# Altium PCB pcb.PcbDoc (part 3 of 3)
Units mil, origin at the board's own origin, x right, y up, seen from the top; angles counter-clockwise.
Board outline 4487.66 x 5255 mil, 2 copper layers (Top Layer, Bottom Layer); 218 components, 191 nets, 869 pads, 351 vias.
Unrouted connection lines stored in the file: 2.
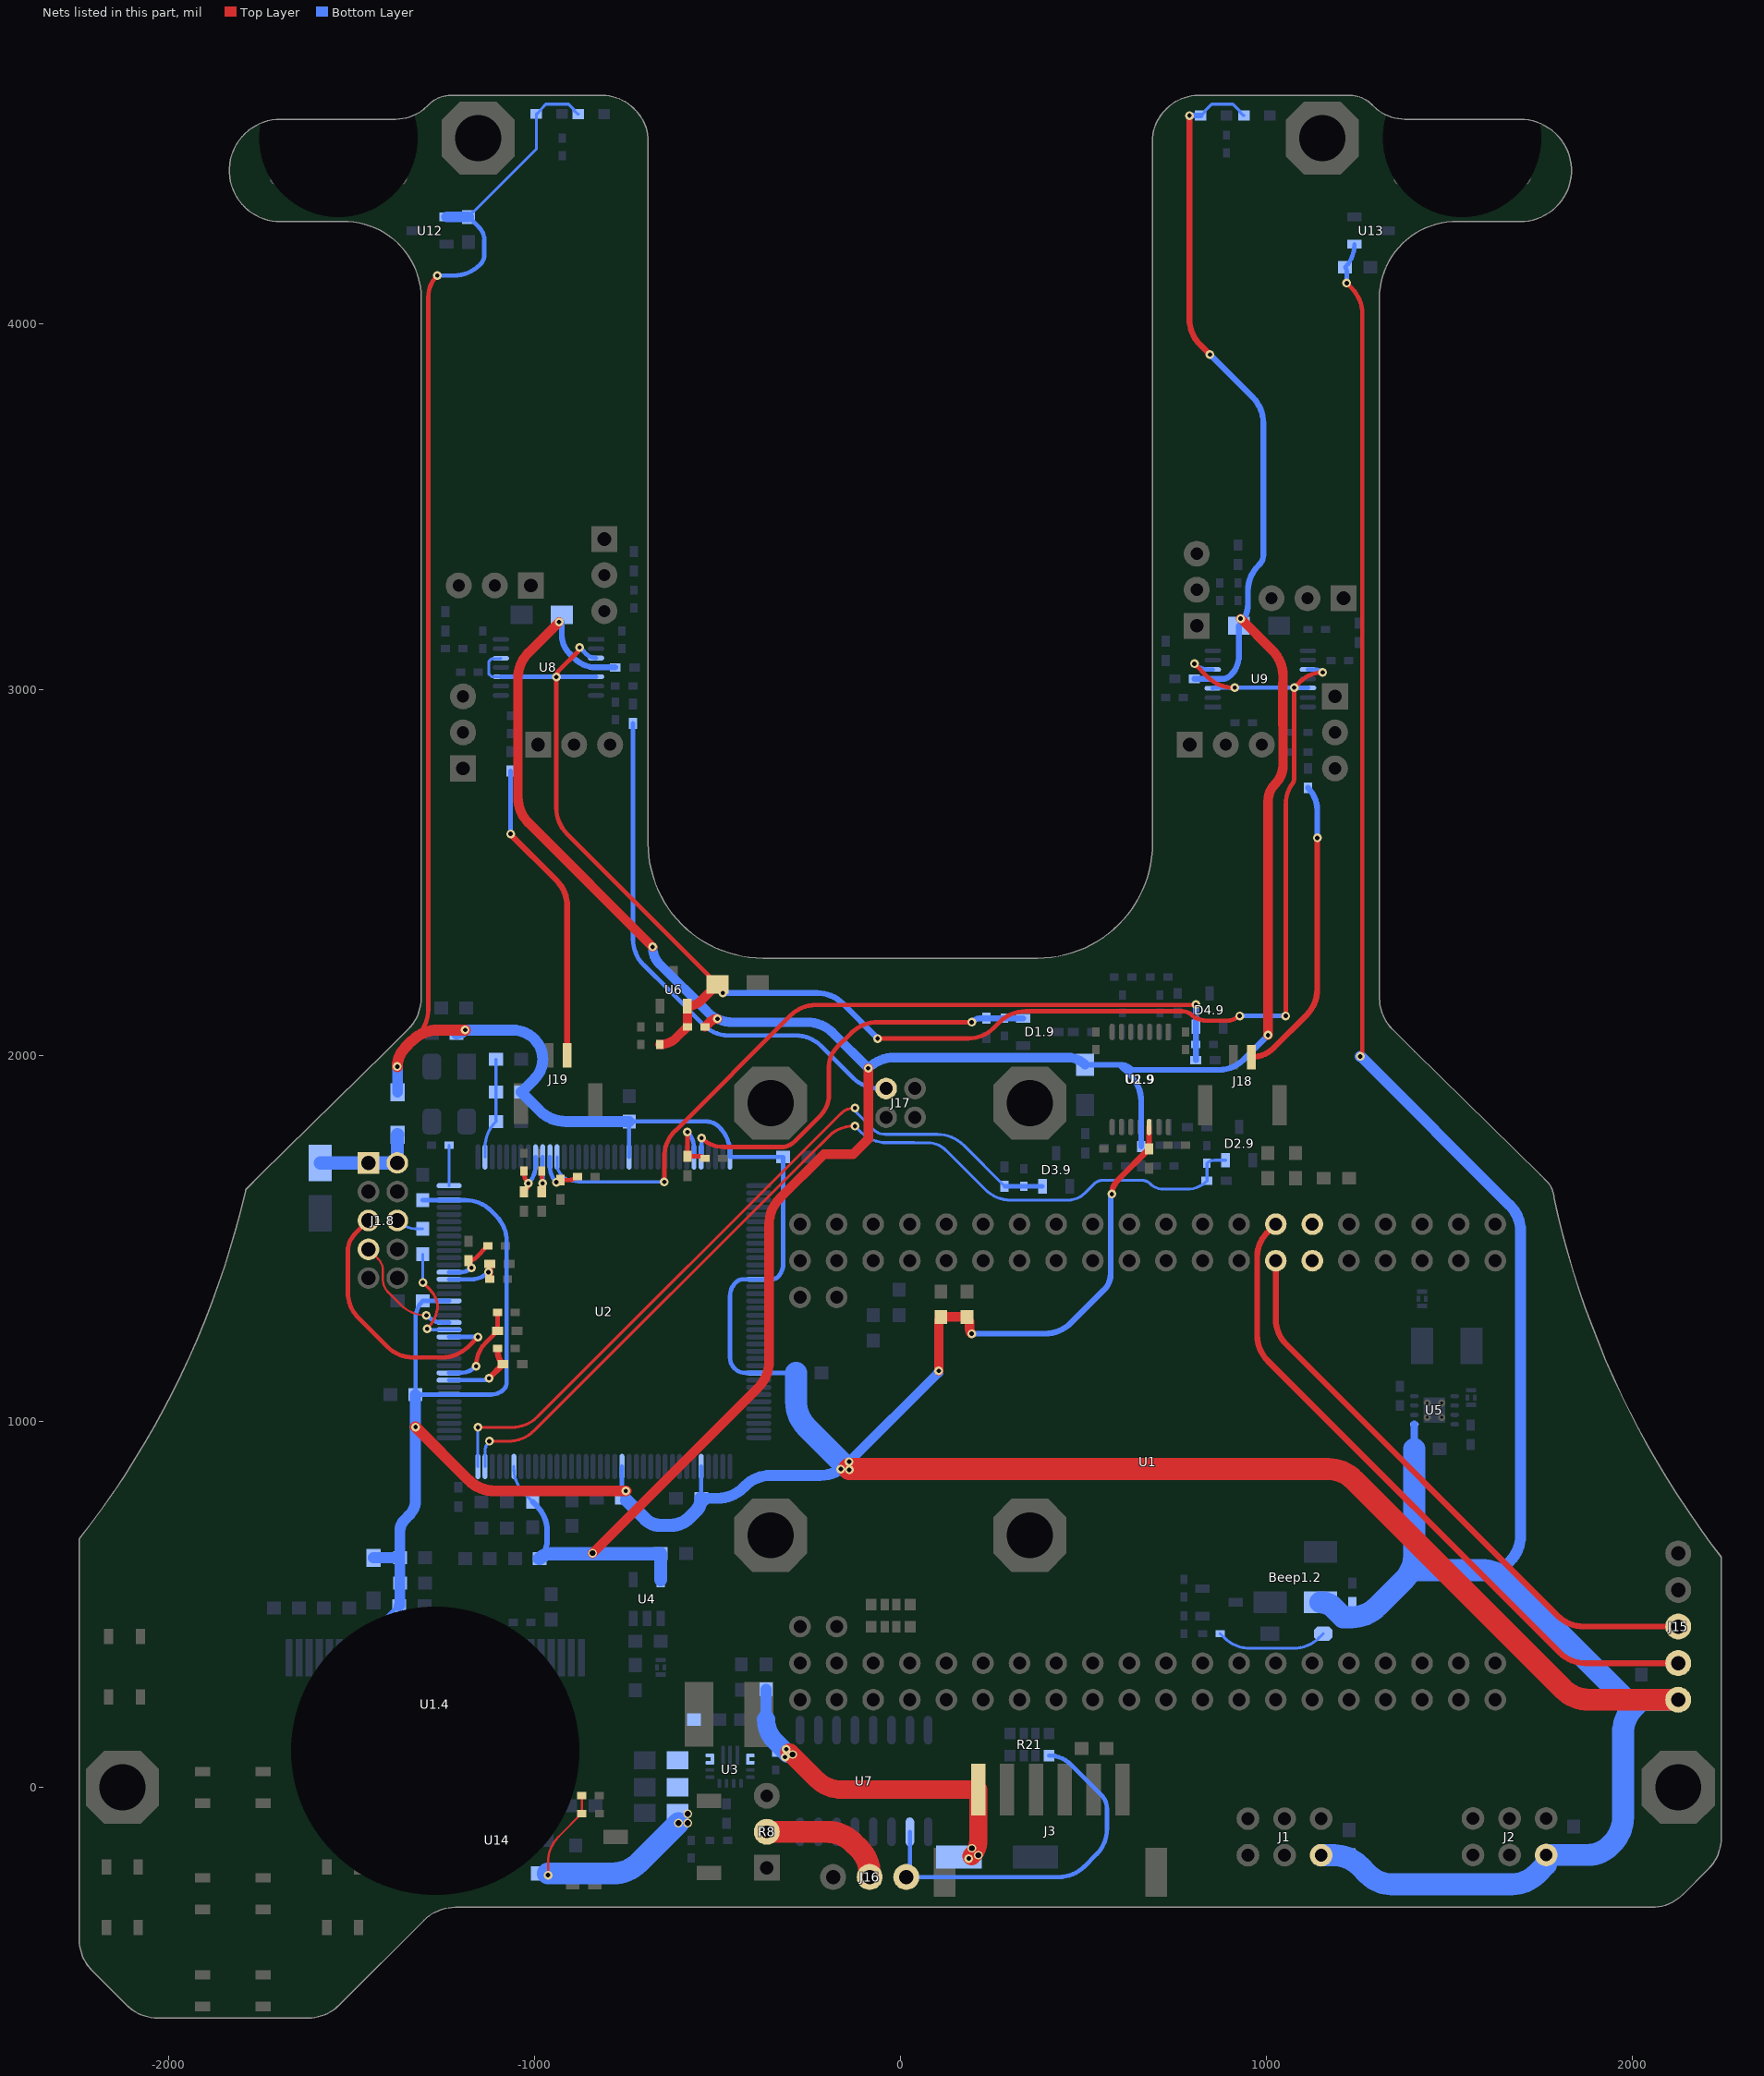
[diagram p3: the nets of this part, all layers, seen from the top]

## Via types
v1: diameter 24, hole 12, Top Layer to Bottom Layer, tented both sides, 336 vias
v2: diameter 23.62, hole 15.75, Top Layer to Bottom Layer, tented both sides, 13 vias
v3: diameter 23.62, hole 11.81, Top Layer to Bottom Layer, tented both sides, 2 vias

## Nets (pads, with @x,y where several pads share a name; then routed paths per layer and width w, separated by ;. In a path a pad name is that pad's centre, name@x,y a point inside that pad or via, vN(x,y) a via of type N, cw(c..) or ccw(c..) an arc to the next point about the centre after c; other vN are vias at no path point) (continued)
PTA1: J1.8.5 U2.51 | length 759
  Top Layer w12: J1.8.5@-1453.36,1549.39 -1490.79,1511.96 ccw(c-1444.43,1465.59) -1510,1465.59 -1510,1353.72 ccw(c-1410,1353.72) -1480.71,1283.01 -1402.08,1204.38 ccw(c-1331.37,1275.09) -1331.37,1175.09 -1251.92,1175.09 ccw(c-1251.92,1275.09) -1181.21,1204.38 v1(-1154.49,1231.1)
  Bottom Layer w12: U2.51@-1233.1,1231.1 v1(-1154.49,1231.1)
PTA2: R2.8.2 U2.52 | length 320.5
  Top Layer w8: v1(-1305,1380) -1285.57,1360.57 cw(c-1336.19,1309.96) -1264.61,1309.96 cw(c-1363.58,1324.27) -1292.87,1253.56 v1(-1293.09,1253.34)
  Bottom Layer w8: v1(-1305,1380) R2.8.2@-1305,1457.38 ; v1(-1293.09,1253.34) -1293.09,1255.81 ccw(c-1280.96,1267.94) -1280.96,1250.79 U2.52@-1233.1,1250.79 U2.52@-1202.01,1250.79
PTA3: J1.8.7 U2.53 | length 329.7
  Top Layer w6: J1.8.7@-1453.36,1470.65 -1426.78,1444.07 cw(c-1457.84,1413.01) -1413.91,1413.01 -1413.91,1386.95 ccw(c-1366.51,1386.95) -1400.03,1353.43 -1365.91,1319.32 ccw(c-1295.2,1390.03) v1(-1295.18,1290.03)
  Bottom Layer w12: v1(-1295.18,1290.03) cw(c-1302.43,1280.47) -1294.13,1289.14 ccw(c-1247.65,1337.68) -1273.27,1275.55 cw(c-1277.84,1264.45) -1271.19,1274.44 ccw(c-1260.71,1290.16) -1260.71,1271.27 -1258.9,1271.27 cw(c-1258.85,1259.27) -1257.15,1271.15 ccw(c-1247.65,1337.68) -1247.65,1270.47 U2.53@-1233.1,1270.47
RESET_b: C17.2 R3.8.2 R7.1 U2.74 | length 274.9
  Bottom Layer w8: U2.74@-1134.8,1723.1 -1134.8,1748.78 cw(c-1034.8,1748.78) -1105.51,1819.49 R3.8.2@-1105,1820 R7.1@-1105,1900 C17.2@-1105,1990
RXD: J15.3 U1.14 | length 1622.7
  Top Layer w16: U1.14@1026.01,1439.39 1026.01,1280.82 ccw(c1126.01,1280.82) 1055.3,1210.11 1796.72,468.68 ccw(c1867.43,539.39) 1867.43,439.39 J15.3@2125.98,439.39
S1: C40.1 J17.1 | length 1458.3
  Bottom Layer w12: C40.1@-730.66,2908.36 -730.66,2318.38 ccw(c-630.66,2318.38) -701.37,2247.67 -629.41,2175.71 -536.84,2083.14 ccw(c-469.45,2150.52) -469.45,2055.22 -286.64,2055.22 cw(c-286.64,1955.22) -215.93,2025.93 -129.29,1939.29 ccw(c-58.58,2010) -58.58,1910 J17.1@-38.74,1910
S2: C49.1 J18.1 | length 830.2
  Top Layer w16: J18.1@959.61,1995.94 ccw(c959.61,2082.01) 1020.46,2021.15 1110.17,2110.85 ccw(c1039.45,2181.56) 1139.45,2181.56 v1(1139.45,2595)
  Bottom Layer w16: C49.1@1114.02,2732 cw(c1052.62,2670.6) 1139.45,2670.6 v1(1139.45,2595)
S3: C44.1 J19.1 | length 839
  Top Layer w16: v1(-1065.22,2606.03) -1066.65,2606.03 -939.68,2479.06 cw(c-1010.39,2408.34) -910.39,2408.34 J19.1@-910.39,2000.94
  Bottom Layer w12: v1@-1065.31,2606.03 C44.1@-1065.31,2778.1
SD_B1_01: J15.2 U1.13 | length 1858.3
  Top Layer w16: U1.13@1026.01,1539.39 1002.14,1515.53 ccw(c1067.67,1450) 975,1450 975,1236.42 ccw(c1075,1236.42) 1004.29,1165.71 1801.32,368.68 ccw(c1872.03,439.39) 1872.03,339.39 J15.2@2125.98,339.39
SD_B1_02: U1.12
SD_B1_03: U1.11
SE8: C42.2 R29.1 U2.81 | length 141.1
  Top Layer w12: C42.2@-1028.2,1628.13 -1024.58,1631.75 ccw(c-1043.62,1650.8) v1(-1016.69,1650.8) cw(c-988.91,1678.58) -1028.2,1678.58 R29.1@-1028.2,1685
  Bottom Layer w12: v1(-1016.69,1650.8) ccw(c-1064.22,1698.32) -997.01,1698.32 U2.81@-997.01,1723.1
SE9: C46.2 R35.1 U2.82 | length 130.6
  Top Layer w12: C46.2@-980,1628.13 -980,1644.33 cw(c-970.86,1644.33) v1(-977.32,1650.8) cw(c-970.86,1657.26) -980,1657.26 R35.1@-980,1685
  Bottom Layer w12: v1(-977.32,1650.8) U2.82@-977.32,1723.1
SE10: C43.2 R30.1 U2.59 | length 155.4
  Top Layer w16: R30.1@-1121.68,1388.58 C43.2@-1121.68,1431.21
  Bottom Layer w12: U2.59@-1233.1,1388.58 -1173.09,1388.58 ccw(c-1173.09,1455.79) v1(-1125.56,1408.27)
SE11: C38.2 R23.1 U2.60 | length 154.4
  Top Layer w12: v1(-1171.64,1420) ccw(c-1198.11,1420) -1179.39,1438.72 C38.2@-1180.06,1439.39 ccw(c-1180.06,1467.97) -1159.86,1447.77 R23.1@-1127.62,1480
  Bottom Layer w12: U2.60@-1233.1,1408.27 -1199.96,1408.27 ccw(c-1199.96,1448.32) v1(-1171.64,1420)
SE12: C50.2 R41.1 U2.83 | length 125.9
  Top Layer w12: C50.2@-928.82,1659.97 -905.05,1659.97 ccw(c-905.05,1691.79) R41.1@-882.54,1669.29
  Bottom Layer w12: U2.83@-957.64,1723.1 -957.64,1696.51 ccw(c-897.42,1696.51) -957.3,1690.11 ccw(c-897.42,1696.51) v1(-940,1653.93) v1@-940,1650.68
SE13: C8.9.2 D4.9.2 R20.9.1 U2.84 | length 2199.8
  Top Layer w12: v1(-645,1655) -645,1723.58 cw(c-545,1723.58) -615.71,1794.29 -300.78,2109.22 cw(c-230.07,2038.5) -230.07,2138.5 803.84,2138.5 ccw(c803.84,2143.21) 807.15,2139.87 v1(807.6,2139.88)
  Bottom Layer w8: U2.84@-937.95,1723.1 -937.95,1702.25 ccw(c-898.17,1702.25) -926.3,1674.12 ccw(c-880.15,1720.27) -880.15,1655 v1(-645,1655)
  Bottom Layer w16: C8.9.2@807.6,1987.67 R20.9.1@807.6,2030 D4.9.2@807.6,2079.45 v1(807.6,2139.88)
SE14: C47.2 R36.1 U2.103 | length 191.2
  Top Layer w12: v1@-584.54,1791.17 v1(-581.68,1791.17) C47.2@-581.68,1725 -548.06,1725 cw(c-548.06,1705.01) R36.1@-533.92,1719.14
  Bottom Layer w12: v1(-581.68,1791.17) cw(c-624.51,1748.34) -563.94,1748.34 U2.103@-563.94,1723.1
SE15: C3.9.2 D1.9.2 R9.9.1 U2.104 | length 1151.3
  Top Layer w12: v1(-543.3,1775) ccw(c-482.94,1835.36) -482.94,1750 -325.56,1750 ccw(c-325.56,1800.56) -289.84,1764.78 ; -289.81,1764.81 -219.04,1835.58 ccw(c-277.08,1893.62) -195,1893.62 -195,1971.12 cw(c-123.27,1971.12) -173.99,2021.84 -133.79,2062.03 cw(c-63.08,1991.32) -70.33,2091.06 cw(c-63.08,1991.32) -63.08,2091.32 v1(195,2091.32)
  Bottom Layer w12: U2.104@-544.25,1723.1 ccw(c-555.46,1727.4) -543.46,1727.45 -543.46,1750.71 cw(c-524.57,1750.71) -543.36,1752.64 ccw(c-555.3,1753.87) -543.3,1753.92 v1(-543.3,1775)
  Bottom Layer w16: v1(195,2091.32) cw(c220.98,2065.34) 220.98,2102.09 C3.9.2@235,2102.09 R9.9.1@285,2102.09 D1.9.2@335.46,2102.09
SE16: C7.9.2 D3.9.2 R19.9.1 U2.36 | length 2091.6
  Top Layer w8: v1(-1154.49,983.92) -1061.71,983.92 ccw(c-1061.71,1083.92) -991,1013.21 -163.24,1840.97 ; -163.21,1841 cw(c-124.21,1801.94) v1(-124.21,1857.13)
  Bottom Layer w8: U2.36@-1154.49,876.9 v1(-1154.49,983.92) ; v1(-124.21,1857.13) ccw(c-103.9,1857.13) -123.6,1852.19 ccw(c-103.9,1857.13) -118.27,1842.77 -73.99,1798.5 ccw(c-40.99,1831.5) -40.99,1784.83 101.62,1784.83 cw(c101.62,1684.83) 172.33,1755.54 C7.9.2@285,1642.87
  Bottom Layer w12: C7.9.2@285,1642.87 R19.9.1@337.73,1642.87 D3.9.2@388.61,1642.87
SE17: C51.2 R42.1 U2.45 | length 211.8
  Top Layer w16: v1(-1123.94,1118.23) -1086.78,1155.38 ccw(c-1088.5,1157.1) C51.2@-1086.07,1157.1 cw(c-1050.78,1192.39) -1100.69,1192.39 R42.1@-1100.69,1199.98
  Bottom Layer w12: U2.45@-1233.1,1112.99 -1136.58,1112.99 ccw(c-1136.58,1130.87) v1(-1123.94,1118.23)
SE18: C39.2 R24.1 U2.46 | length 246
  Top Layer w12: v1(-1159.15,1151.24) -1159.15,1153.68 cw(c-1073.97,1153.68) -1134.2,1213.91 C39.2@-1100.69,1247.42 R24.1@-1100.69,1297.79
  Bottom Layer w12: U2.46@-1233.1,1132.68 -1203.97,1132.68 ccw(c-1203.97,1196.07) v1(-1159.15,1151.24)
SE22: C4.9.2 D2.9.2 R10.9.1 U2.35 | length 2585.7
  Top Layer w8: v1(-1123.2,946.01) -1070.89,946.01 ccw(c-1070.89,1046.01) -1000.18,975.3 -250.48,1725 -250,1725 -195,1780 cw(c-129.06,1714.06) -129.06,1807.31 v1(-124.21,1807.31)
  Bottom Layer w8: U2.35@-1134.8,876.9 -1134.8,918 cw(c-1095.19,918) v1(-1123.2,946.01) ; v1(-124.21,1807.31) -108.07,1791.17 ccw(c-37.36,1861.88) -46.78,1762.33 ccw(c-46.01,1770.29) -46.01,1762.29 33.58,1762.29 cw(c33.58,1649.29) 42.85,1761.91 ccw(c43.51,1769.88) 43.51,1761.88 74.69,1761.88 cw(c74.69,1691.33) 124.58,1741.22 231.51,1634.29 ccw(c302.22,1705) 302.22,1605 457.19,1605 ccw(c457.19,1672.61) 505,1624.8 530.36,1650.17 cw(c551.53,1629.01) 551.53,1658.93 661.87,1658.93 cw(c661.87,1631.15) 681.52,1650.8 ccw(c719.65,1688.93) 719.65,1635 783.65,1635 ccw(c783.65,1711.86) C4.9.2@838,1657.51 R10.9.1@838,1705.71 cw(c858.71,1685) 858.71,1714.29 D2.9.2@888.61,1714.29
STEER: J16.1 R21.5 U7.10 | length 1042.3
  Bottom Layer w12: U7.10@26.01,-121.57 26.01,-221.65 cw(c-7.2,-221.65) J16.1@16.28,-245.13 432.83,-245.13 ccw(c432.83,-145.13) 503.54,-215.84 535.65,-183.73 ccw(c464.94,-113.02) 564.94,-113.02 564.94,-58.62 ccw(c511.35,-58.62) 549.24,-20.72 466.75,61.77 ccw(c406.1,1.12) R21.5@406.1,86.89 422.72,86.89
TDO: J1.8.6 R2.8.1 | length 75.8
  Bottom Layer w8: J1.8.6@-1374.62,1549.39 ccw(c-1319.05,1604.96) -1319.05,1526.38 R2.8.1@-1305,1526.38
Vadj: C19.2 C20.2 C21.2 C22.2 C63.2 J16.2 R8.2 R10.2 R15.1 U3.7 U3.8 U14.3 | length 1011.3
  Top Layer w6: v1(-962.78,-240) -962.78,-205.08 cw(c-862.78,-205.08) -933.49,-134.37 R15.1@-870.51,-71.39 -870.51,-30.72 ccw(c-879.04,-30.72) R10.2@-873.01,-24.69
  Top Layer w60: R8.2@-365,-121.57 -199.85,-121.57 cw(c-199.85,-221.57) -129.14,-150.86 -113.01,-166.99 cw(c-183.72,-237.7) -83.72,-237.7 J16.2@-83.72,-245.13
  Bottom Layer w60: U14.3@-962.78,-235.44 -785.36,-235.44 ccw(c-785.36,-135.44) -714.65,-206.15 v2(-606.49,-98)
  other v2: -581.18,-98 -581.18,-72.28
VCC: Beep1.2.1 C1.2.2 C3.2 C3.4.2 C4.2 C4.4.2 C5.2 C6.2 C6.4.2 C7.2 C7.4.2 C8.2 C9.2 C9.9.2 C11.2 C29.2 C56.2 C57.2 C58.2 C59.2 C60.2 D1.2.2 D1.4.1 D1.8.2 D4.A D5.A J1.2 J2.2 J15.1 L2.2 R1.2.2 R7.2 R47.1 R48.1 U1.4.9 U2.5 U2.9.12 U2.16 U2.43 U2.56 U2.70 U2.94 U2.108 U2.122 U2.135 U5.1 U12.1 U13.1 | length 20535.4
  Top Layer w12: -1334.29,2040.71 -1319.23,2055.77 ccw(c-1389.94,2126.48) -1289.94,2126.48 -1289.94,4072.92 cw(c-1206.12,4072.92) v1(-1265.39,4132.19) ; v1(1220,4111.36) 1233.35,4098 cw(c1162.64,4027.29) 1262.64,4027.29 1262.64,2011.29 cw(c1243.47,2011.29) v1(1257.03,1997.73)
  Top Layer w16: v1(578.23,1621.57) cw(c631.07,1621.57) 593.71,1658.93 C9.9.2@679.77,1745 U2.9.12@679.77,1804.68
  Top Layer w26: v1(105,1138.49) 105,1271.46 cw(c125.56,1271.46) R47.1@111.02,1286 R48.1@182.3,1286 cw(c165.07,1268.77) 189.44,1268.77 189.44,1253.42 ccw(c208.42,1253.42) v1(195,1240)
  Top Layer w30: v1(-1374.62,1970) cw(c-1301.28,1970) -1353.14,2021.86 -1334.29,2040.71 cw(c-1263.58,1970) -1263.58,2070 v1(-1189.28,2070) ; v1(-1325,985) -1179.29,839.29 ccw(c-1108.58,910) -1108.58,810 v1(-750,810)
  Top Layer w60: v1@-140,870 1168.58,870 cw(c1168.58,770) 1239.29,840.71 1811.32,268.68 ccw(c1882.03,339.39) 1882.03,239.39 J15.1@2125.98,239.39
  Bottom Layer w8: C56.2@-1180,4292.4 -1180,4293.9 -1166.5,4307.4 -1165,4307.4 -994.9,4477.5 D4.A@-994.9,4574.11 -992.92,4574.11 -983.15,4583.89 -983.15,4585.86 -968.55,4600.45 -906.71,4600.45 -898.29,4592.03 -898.29,4591.89 -891.75,4585.34 -891.75,4583.38 -881.97,4573.6 D5.A@-880,4573.6 ; R1.2.2@874.21,420 884.92,409.29 ccw(c955.63,480) 955.63,380 1074.42,380 ccw(c1074.42,480) 1145.14,409.29 D1.2.2@1155.85,420
  Bottom Layer w12: U1.4.9@-1450.21,354.39 -1450.21,390.48 cw(c-1384.44,390.48) -1450,395.73 cw(c-1384.44,390.48) -1430.96,436.97 C7.4.2@-1429.29,438.64 -1373.43,494.5 cw(c-1369.14,490.21) C4.4.2@-1369.14,496.28 ; C11.2@-1305,1605.12 U2.70@-1233.1,1605.12 -1188.88,1605.12 cw(c-1188.88,1505.12) -1118.17,1575.83 -1105.04,1562.7 cw(c-1175.75,1491.99) -1075.75,1491.99 -1075.75,1106.61 cw(c-1102.2,1106.61) -1083.5,1087.9 cw(c-1117.97,1122.37) -1117.97,1073.62 U2.43@-1233.1,1073.62 C5.2@-1325,1073.62 -1325,1281.24 cw(c-1256.72,1281.24) C9.2@-1305,1329.53 U2.56@-1233.1,1329.53 ; v1(-1265.39,4132.19) -1219.9,4132.19 ccw(c-1219.9,4232.19) -1149.18,4161.47 -1147.42,4163.24 ccw(c-1172.78,4188.59) -1136.92,4188.59 -1136.92,4229.65 ccw(c-1184.41,4229.65) -1150.83,4263.23 C56.2@-1180,4292.4 ; U2.16@-760.79,876.9 -760.79,797.14 C8.2@-748.62,784.98 ; U2.94@-741.1,1723.1 C6.2@-741.1,1820 -531.21,1820 cw(c-531.21,1768.79) -495,1805 -494.8,1804.8 cw(c-565.51,1734.09) -469.45,1761.88 ccw(c-457.92,1765.22) -468.52,1759.58 cw(c-485.2,1750.71) -466.31,1750.71 -466.31,1747.41 ccw(c-454.31,1747.41) -466.22,1745.99 cw(c-565.51,1734.09) -465.51,1734.09 U2.108@-465.51,1723.1 C3.2@-320,1723.1 -320,1431.21 cw(c-371.21,1431.21) -335,1395 cw(c-350.49,1410.49) -350.49,1388.58 U2.122@-386.9,1388.58 -429.28,1388.58 ccw(c-429.28,1359.28) -450,1380 ccw(c-412.55,1342.55) -465.51,1342.55 -465.51,1174.9 ccw(c-423.23,1174.9) -453.13,1145 ccw(c-423.38,1174.75) -423.38,1132.68 U2.135@-386.9,1132.68 C4.2@-285.03,1132.68 ; C7.2@-544.25,790 U2.5@-544.25,876.9 ; v1(1220,4111.36) 1220,4144.21 ccw(c1205.05,4144.21) C57.2@1215.62,4154.78 ccw(c1154.09,4216.31) 1241.11,4216.31 U13.1@1241.11,4217.6
  Bottom Layer w16: U1.4.9@-1450.21,314.82 U1.4.9@-1450.21,354.39 ; v1(195,1240) 395.5,1240 ccw(c395.5,1340) 466.21,1269.29 556.8,1359.88 ccw(c512.86,1403.82) 575,1403.82 575,1613.77 cw(c586.02,1613.77) v1(578.23,1621.57)
  Bottom Layer w19.68: C29.2@1404.76,925 U5.1@1404.76,992.41
  Bottom Layer w26: v1(-140,890) 101.54,1131.54 cw(c104.29,1128.79) 104.29,1132.68 ccw(c102.57,1134.39) 105,1134.39 v1(105,1138.49)
  Bottom Layer w30: D1.4.1@-1440,627.62 C6.4.2@-1367.53,627.62 ; v1(-1374.62,1970) cw(c-1376.12,1968.5) -1374,1968.5 D1.8.2@-1374,1900 ; C4.4.2@-1369.14,496.28 ccw(c-1373.02,500.16) -1367.53,500.16 C3.4.2@-1367.53,558.15 C6.4.2@-1367.53,627.62 ; C5.2@-1325,1073.62 v1(-1325,985) -1325,783.72 cw(c-1379.24,783.72) -1340.89,745.37 -1354.29,731.97 ccw(c-1322.32,700) -1367.53,700 C6.4.2@-1367.53,627.62 ; U12.1@-1239.72,4292.4 C56.2@-1180,4292.4 ; L2.2@-1213.42,2060 ccw(c-1213.42,2094.14) v1(-1189.28,2070) -1060.36,2070 cw(c-1060.36,1984.64) -1000,2045 cw(c-1054.75,1990.25) -977.32,1990.25 -977.32,1990 cw(c-1052.94,1990) -999.47,1936.53 R7.2@-1036,1900 -985.29,1849.29 ccw(c-914.58,1920) -914.58,1820 C6.2@-741.1,1820 ; C7.2@-544.25,790 -499.43,790 ccw(c-499.43,890) -428.72,819.29 -424.56,823.45 cw(c-354.3,753.18) -354.3,852.55 -218.87,852.55 ccw(c-218.87,952.55) -150.98,879.13 ccw(c-218.87,952.55) -148.16,881.84 v1(-140,890) ; v1(1257.03,1997.73) 1258.95,1997.73 1665.71,1590.97 cw(c1595,1520.26) 1695,1520.26 1695,688.16 cw(c1595,688.16) 1665.71,617.45 1631.84,583.58
  Bottom Layer w36: C8.2@-748.59,784.95 -695.61,731.97 ccw(c-657.63,769.95) -657.63,716.23 -627.36,716.23 ccw(c-627.36,788.89) -575.98,737.51 -558.93,754.57 ccw(c-594.36,790) C7.2@-544.25,790
  Bottom Layer w60: C4.2@-285.03,1132.68 -285.03,1054.6 ccw(c-185.03,1054.6) -255.74,983.89 -150.98,879.13 ; Beep1.2.1@1147.97,505.6 cw(c1147.97,453.86) 1184.55,490.45 1210,465 1232.98,465 ccw(c1232.98,565) 1303.69,494.29 1375.47,566.08 ccw(c1304.76,636.79) 1395.07,593.84 ; J1.2@1150,-185.61 1184.59,-185.61 cw(c1184.59,-285.61) 1255.3,-214.89 1278.49,-238.09 ccw(c1343.46,-173.11) 1317.58,-261.28 ccw(c1343.46,-173.11) 1343.46,-265 1669.65,-265 ccw(c1669.65,-165) 1740.36,-235.71 1765,-211.07 J2.2@1765,-185 1878.48,-185 ccw(c1878.48,-99.64) 1938.83,-160 1945.71,-153.12 ccw(c1875,-82.41) 1975,-82.41 1975,147.97 cw(c2075,147.97) 2004.29,218.68 ; C29.2@1404.76,925 1404.76,636.79 cw(c1304.76,636.79) 1395.07,593.84 ; J2.2@1765.92,-184.62 C59.2@1831.73,-184.62 ; J15.1@2125.98,239.39 C58.2@2025,239.39 2004.29,218.68 ; 1395.07,593.84 1587.71,593.84 cw(c1587.71,493.84) 1631.84,583.58 cw(c1587.71,493.84) 1658.42,564.55 2004.29,218.68
  other v1: -139.55,867.64 -162.71,869.81
VDDA: C10.9.1 C11.9.1 C12.2 C25.2 C32.1 C33.1 C34.2 C35.2 D2.A D3.A L1.1 R18.2 U1.9.4 U2.31 U4.5 U8.4 U9.4 | length 8939.6
  Top Layer w16: v1(790,4569.49) 790,4014.07 ccw(c890,4014.07) 819.29,3943.36 v1(846.36,3916.29)
  Top Layer w26: v1(-932.42,3185.46) -1015.71,3102.17 ccw(c-945,3031.45) -1045,3031.45 -1045,2706.37 ccw(c-945,2706.37) -1015.71,2635.66 v1(-677.02,2296.97) ; v2(-841.26,640) -387.82,1093.44 ccw(c-458.53,1164.15) -358.53,1164.15 -358.53,1539.26 cw(c-258.53,1539.26) -329.24,1609.97 -208.44,1730.77 -129.23,1730.77 -87.64,1772.36 v1(-87.64,1965.58) ; R18.2@-533.92,2078.52 -520.64,2091.81 cw(c-499.68,2070.86) v1(-499.68,2100.49) ; v1(929.97,3194.6) 1016.54,3108.03 cw(c945.83,3037.32) 1045.83,3037.32 cw(c1019.83,3037.32) 1045.83,3036.97 1045.48,3006.03 ccw(c1076.46,3005.68) 1045.48,3005.63 1045.83,2793.61 cw(c1019.83,2793.51) 1045.83,2793.51 cw(c974.71,2793.51) 1025,2743.23 ccw(c1073.28,2694.94) 1005,2694.94 v1(1005,2055.89)
  Bottom Layer w8: U2.31@-1056.06,876.9 -1056.06,873.08 ccw(c-956.06,873.08) -1053.47,850.45 cw(c-1061.26,848.64) -1053.26,848.84 ccw(c-1036.38,849.29) -1050.78,840.46 cw(c-1057.6,836.28) -1050.08,839.01 ccw(c-956.06,873.08) -1026.77,802.37 C12.2@-1004.4,780 ; D3.A@820.28,4569.49 822.25,4569.49 832.03,4579.27 832.03,4581.24 851.24,4600.45 908.61,4600.45 927.82,4581.23 927.82,4579.27 937.6,4569.49 D2.A@939.57,4569.49
  Bottom Layer w15: C12.2@-1004.4,780 -994.29,769.89 cw(c-1065,699.18) -965,699.18 -965,676.14 cw(c-1037.33,676.14) L1.1@-986.18,625
  Bottom Layer w16: C32.1@-925,3185.46 -925,3148.28 ccw(c-856.72,3148.28) -905,3100 -890.6,3085.6 ccw(c-831.65,3144.55) U8.4@-831.65,3061.18 C34.2@-779.22,3061.18 ; C11.9.1@505,1975 600.06,1975 ; C10.9.1@658.23,1751.33 U1.9.4@658.23,1804.84 658.23,1875.41 ccw(c558.23,1875.41) 628.94,1946.12 600.06,1975 ; v1(790,4569.49) D3.A@820.28,4569.49 ; C35.2@803.65,3029.77 U9.4@853.86,3029.77 879.33,3029.77 ccw(c879.33,3063.19) 902.96,3039.56 ccw(c848.84,3093.69) 925.38,3093.69 C33.1@925.38,3175 ccw(c865.73,3234.65) 950.09,3234.65 950.09,3270.89 cw(c1047.01,3270.89) 978.48,3339.42 981.37,3342.31 ccw(c955.71,3367.97) 992,3367.97 992,3729.23 ccw(c892,3729.23) 962.71,3799.94 v1(846.36,3916.29) ; v1(1005,2055.89) 937.89,1988.78 cw(c870.81,2055.86) 870.81,1961 633.86,1961 ccw(c600.06,1927.2) 600.06,1975
  Bottom Layer w26: v1(-677.02,2296.97) ccw(c-609.76,2296.97) -657.32,2249.41 -528.45,2120.53 ccw(c-457.92,2191.06) -457.92,2091.32 -254.81,2091.32 cw(c-254.81,1991.32) -184.1,2062.03 v1(-87.64,1965.58) cw(c-16.93,1894.86) -16.93,1994.86 457.04,1994.86 cw(c457.04,1927.04) C11.9.1@505,1975
  Bottom Layer w36: L1.1@-986.18,625 cw(c-953.31,592.12) -953.31,638.62 C25.2@-655,638.62 U4.5@-655,567.95
VJ: C1.8.1 D1.8.1 J1.8.1 J1.8.2 | length 287.5
  Bottom Layer w36: C1.8.1@-1585,1706.87 J1.8.1@-1453.36,1706.87 J1.8.2@-1374.62,1706.87 -1374.62,1782.36 cw(c-1372.5,1782.36) D1.8.1@-1374,1783.86
Vm: C18.1 C52.1 J3.1 R1.2 R9.1 U3.12 U3.13 | length 932.4
  Top Layer w50: v2@-302.46,95.43 v2@-296.98,89.95 ; v2@-294.24,87.21 -229.9,22.87 ccw(c-159.19,93.58) -159.19,-6.42 J3.1@213.15,-6.42 213.15,-144.39 cw(c151.15,-144.39) v1@194.99,-188.24
  Bottom Layer w30: R1.2@-366.72,267.58 -366.72,185.05 C18.1@-366.67,185
  Bottom Layer w50: C18.1@-366.67,185 ccw(c-283.06,185) -342.19,125.89 v1@-308.32,92.02
  other v1: 187.16,-194.35 -315.06,83.02 -311.63,104.43
  other v2: 213.15,-185.61 195.42,-166.38 -294.24,89.95
Vref: C31.1 R18.1 R19.2 U6.2 U8.3 U8.5 U8.10 U8.12 U9.3 U9.5 U9.10 U9.12 | length 4905.9
  Top Layer w12: v1(-876.22,3115.56) -876.45,3115.33 ccw(c-866.12,3105) -880.73,3105 -932.42,3053.31 ccw(c-914.11,3035) v1(-940,3035) -940,2676.74 ccw(c-840,2676.74) -910.71,2606.03 C31.1@-499.68,2195 ; v1(-61.99,2046.87) 185.75,2046.87 ccw(c185.75,2144.79) 254.99,2075.55 271.24,2091.8 cw(c341.95,2021.09) 341.95,2121.09 770.17,2121.09 cw(c770.17,2081.09) 793.21,2113.8 ccw(c836.95,2157.54) 836.95,2095.68 893.5,2095.68 ccw(c893.5,2142.46) 926.58,2109.38 v1(927.37,2108.59) ; v1(803.65,3071.16) 839.85,3034.97 ccw(c910.56,3105.68) 910.56,3005.68 v1(913.89,3005.68) ; v1@1045,2108.19 v1@1045,2108.59 ; v1(1053.27,2108.59) 1053.27,2687.34 cw(c1149.6,2687.34) 1066.17,2735.51 ; v1(1154.42,3047.26) ccw(c1154.42,2959.43) 1092.32,3021.53 v1(1076.46,3005.68) 1076.46,2760.35 cw(c1041.33,2760.35) 1073.67,2746.63 ; 1066.17,2735.51 cw(c1149.6,2687.34) 1073.67,2746.63 ; 1066.17,2735.51 ccw(c1041.33,2760.35) 1073.67,2746.63
  Top Layer w25: R19.2@-656.93,2030.32 ccw(c-656.93,2094.55) -611.51,2049.13 R18.1@-582.12,2078.52 U6.2@-582.12,2135.32 ccw(c-582.12,2190.27) -556.44,2141.69 ccw(c-582.12,2190.27) -543.3,2151.39 C31.1@-499.68,2195
  Bottom Layer w8: U8.12@-1091.81,3085.95 -1092.76,3085 -1116.08,3085 -1124.86,3076.23 -1124.86,3043.64 -1116.81,3035.59 U8.10@-1091.49,3035.59
  Bottom Layer w12: U8.10@-1091.49,3035.59 U8.5@-831.65,3035.59 ; v1(-876.22,3115.56) -864.48,3103.83 cw(c-872.94,3095.31) -862.99,3102.02 ccw(c-847.65,3112.36) -857.56,3096.74 cw(c-863.99,3086.61) -856.24,3095.77 ccw(c-831.65,3124.86) U8.3@-831.65,3086.77 ; v1(803.65,3071.16) ccw(c841.8,3109.31) 841.8,3055.36 U9.5@853.86,3055.36 ; U9.3@853.86,3004.18 cw(c857.49,3000.56) 857.49,3005.68 v1(913.89,3005.68) v1(1076.46,3005.68) ccw(c1078.11,3007.33) 1078.11,3005 U9.12@1114.02,3005 ; v1(927.37,2108.59) v1@1044.6,2108.59 ; U9.10@1113.71,3055.36 1134.85,3055.36 cw(c1134.85,3027.69) v1(1154.42,3047.26)
  Bottom Layer w16: v1(-485,2171.23) -227.77,2171.23 cw(c-227.77,2071.23) -157.06,2141.94 v1(-61.99,2046.87)
XTAL: R5.1 U2.72 | length 110.5
  Bottom Layer w8: U2.72@-1233.1,1644.49 R5.1@-1233.1,1755
pads on no net: Beep1.2.3 J1.5 J1.6 J2.5 J2.6 J3.0 J5.0 J7.0 J8.0 J9.0 J10.0 J11.0 J13.0 J14.0 J18.3 J18.4 J19.3 J19.4 R8.1 R50.1 R51.1 R52.3 R53.1 R54.3 R55.1 R56.3 R57.1 U1.3 U1.4 U1.4.0 U1.4.20 U1.4.28 U1.7 U1.8 U1.15 U1.16 U1.17 U1.18 U1.19 U1.20 U1.21 U1.22 U1.37 U1.52 U1.65 U1.67 U1.68 U1.69 U1.70 U1.71 U1.72 U1.73 U1.74 U1.75 U1.76 U1.77 U1.78 U2.1 U2.2 U2.3 U2.4 U2.7 U2.8 U2.9 U2.10 U2.11 U2.12 U2.13 U2.14 U2.15 U2.19 U2.20 U2.25 U2.26 U2.27 U2.28 U2.29 U2.30 U2.38 U2.39 U2.40 U2.41 U2.42 U2.47 U2.48 U2.49 U2.54 U2.58 U2.61 U2.62 U2.63 U2.64 U2.65 U2.66 U2.67 U2.68 U2.69 U2.73 U2.75 U2.76 U2.77 U2.78 U2.79 U2.80 U2.85 U2.86 U2.87 U2.88 U2.89 U2.90 U2.91 U2.92 U2.95 U2.96 U2.97 U2.98 U2.99 U2.100 U2.101 U2.102 U2.105 U2.106 U2.109 U2.110 U2.111 U2.112 U2.113 U2.114 U2.115 U2.116 U2.117 U2.118 U2.119 U2.120 U2.125 U2.126 U2.127 U2.128 U2.129 U2.130 U2.131 U2.132 U2.133 U2.136 U2.137 U2.138 U2.139 U2.140 U2.141 U2.142 U2.143 U2.144 U4.4 U5.V Y1.1
copper on no net: | length 26.7
  Bottom Layer w12: -926.59,354.39 -926.59,381.13

## Polygon pours and split planes (outlines as drawn)
GND on Bottom Layer "NONET_L01_P-001" (solid, remove dead copper, pour order 11): -2440,4625 -2414.29,4650.71 cw(c-2343.58,4580) -2343.58,4680 2230,4680 2230,-573.58 cw(c2130,-573.58) 2200.71,-644.29 2139.29,-705.71 cw(c2068.58,-635) 2068.58,-735 -2223.58,-735 ccw(c-2223.58,-835) -2294.29,-764.29 -2305,-775
PGND on Bottom Layer "NONET_L01_P-001" (solid, remove dead copper, pour order 1): 445,96.12 473.16,67.96 cw(c445.19,40) 484.74,40 484.74,-158.84 cw(c384.74,-158.84) 455.45,-229.55 424.29,-260.71 cw(c353.58,-190) 353.58,-290 -598.3,-290 cw(c-598.3,-190) -669.01,-260.71 -837.83,-91.89 cw(c-767.12,-21.18) -867.12,-21.18 -867.12,2.66 cw(c-840.12,2.66) -859.21,21.75 cw(c-838.35,0.89) -838.35,30.39 -800.16,30.39 cw(c-732.52,30.39) -780.35,78.22 -660.59,197.98 cw(c-589.88,127.26) -589.88,227.26 -409.1,227.26 cw(c-409.1,127.26) -338.39,197.98 -267.06,126.64 ccw(c-196.35,197.36) -196.35,97.36 195,97.36
AGND on Bottom Layer "NONET_L01_P-001" (solid, remove dead copper, pour order 12): -1855,4600.69 -1855,4234.14 ccw(c-1820.86,4234.14) -1845,4210 -1820.54,4185.54 ccw(c-1749.83,4256.25) -1749.83,4156.25 -1350,4156.25 -1293.13,4213.12 ccw(c-1363.84,4283.83) -1263.84,4283.83 -1263.84,4680
AGND on Bottom Layer "NONET_L01_P-001" (solid, remove dead copper, pour order 10): -615,3560 -1000.96,3560 ccw(c-1000.96,3460) -1071.67,3530.71 -1225.71,3376.67 ccw(c-1155,3305.96) -1255,3305.96 -1255,2549.01 ccw(c-1155,2549.01) -1225.71,2478.3 -886.7,2139.29 ccw(c-815.99,2210) -815.99,2110 -657.32,2110 cw(c-657.32,2088.99) -642.47,2103.85 -567.91,2029.29 ccw(c-497.2,2100) -497.2,2000 -319.72,2000 cw(c-319.72,1900) -249.01,1970.71 87.41,1634.29 ccw(c158.12,1705) 158.12,1605 457.19,1605 ccw(c457.19,1672.61) 505,1624.8 519.56,1639.37 cw(c566.8,1592.13) 566.8,1658.93 652.82,1658.93 cw(c652.82,1604.1) 691.6,1642.87 ccw(c742.13,1693.4) 742.13,1621.94 963.41,1621.94 1210.44,1868.97 ccw(c1139.72,1939.68) 1239.72,1939.68 1239.72,3988.85 ccw(c1139.72,3988.85) 1210.44,4059.56 1170,4100 cw(c1182.07,4112.07) 1165,4112.07 1165,4240.38 cw(c1265,4240.38) 1194.29,4311.1 1205.05,4321.86 cw(c1235.78,4291.13) 1235.78,4334.59 1319.21,4334.59 cw(c1319.21,4293.09) 1348.55,4322.43 1430,4240.99 1719.57,4240.99 ccw(c1719.57,4340.99) 1790.28,4270.28 1905,4385 1905,4433.58 ccw(c1805,4433.58) 1875.71,4504.29 1675,4705 546.42,4705 ccw(c546.42,4605) 475.71,4675.71 -160,4040
AGND on Bottom Layer "NONET_L01_P-001" (solid, remove dead copper, pour order 6): 902.1,1621.57 981.35,1621.57 ccw(c981.35,1721.57) 1052.06,1650.86 1074.78,1673.58 ccw(c1004.07,1744.29) 1104.07,1744.29 1104.07,2084.94 ccw(c1004.07,2084.94) 1074.78,2155.65 1031.42,2199.02 cw(c1066.87,2234.46) 1016.74,2234.46 1016.74,2289.57
AGND on Bottom Layer "NONET_L01_P-001" (solid, remove dead copper, pour order 0): -1125.1,975.2 ccw(c-1160.31,890.55) -1195.53,975.2 -1233.1,946.01 ccw(c-1099.72,890.74) -1233.1,835.48 -1233.1,650.77 ccw(c-1154.24,650.77) -1210,595 ccw(c-1161.09,624.84) -1174.58,569.15 -815.68,569.15 cw(c-808.98,541.6) -799.89,568.46 cw(c-847.12,531.23) -788.04,520 -761.16,347.39 ccw(c-704.06,352.1) -741.1,308.39 ccw(c-708.76,340.73) -708.77,295 -635.64,295 ccw(c-635.64,340.73) -603.31,308.39 -599.29,312.41 ccw(c-683.7,410.01) -555,400.7 -555,660 ccw(c-560.96,662.49) -555,665 -635.64,676.14 ccw(c-782.79,365.13) -898.99,688.98 -928.26,700 -928.26,826.17 ccw(c-1001.69,819.79) -961.92,881.84 -1000.24,938.94 ccw(c-1017.74,925.93) -1014.58,947.51
GND on Top Layer "NONET_L01_P-001" (solid, remove dead copper, pour order 7): -1920,2298.54 1370.04,2298.54 cw(c1370.04,2198.54) 1440.75,2269.25 2420.71,1289.29 cw(c2350,1218.58) 2450,1218.58 2450,-610 856.42,-610 cw(c856.42,-510) 785.71,-580.71 684.29,-479.29 cw(c755,-408.58) 655,-408.58 655,104.43 630.65,128.79 ccw(c559.94,58.08) 559.94,158.08 -178.8,158.08 cw(c-178.8,251.36) -244.76,185.4 -277.02,217.66 cw(c-206.31,288.37) -306.31,288.37 -306.31,296.5 ccw(c-318.36,296.5) -309.84,305.02 -325.92,321.1 ccw(c-370.08,276.94) -370.08,339.39 -813.95,339.39 ccw(c-813.95,239.39) -884.66,310.11 -1335.71,-140.94 ccw(c-1265,-211.65) -1365,-211.65 -1365,-465 -1750.71,-850.71 cw(c-1821.42,-780) -1821.42,-880 -2650,-880
PGND on Top Layer "NONET_L01_P-001" (solid, remove dead copper, pour order 9): -925,-312.22 339.87,-312.46 ccw(c339.87,-212.46) 410.58,-283.17 478.81,-214.94 ccw(c408.1,-144.23) 508.1,-144.23 508.1,55.18 ccw(c418.19,55.18) 481.77,118.75 ccw(c462.15,99.13) 462.15,126.88 -194.49,126.88 cw(c-194.49,226.87) -265.2,156.16 -310.56,201.53 cw(c-263.83,248.26) -329.92,248.26 -329.92,272.62 ccw(c-363.8,272.62) -339.84,296.57 -347.97,304.7 ccw(c-372.98,279.7) -372.98,315.06 -588.62,315.06 ccw(c-588.62,282.85) -611.4,305.62 -729.1,187.93 ccw(c-658.39,117.22) -758.39,117.22 -758.39,110.81 cw(c-834.84,110.81) -780.78,56.75 -807.99,29.54 cw(c-878.7,100.25) -878.7,0.25 -884.65,0.25 ccw(c-884.65,-44.92) -916.59,-12.98 -925,-21.39 ccw(c-866.71,-79.67) -949.14,-79.67 -949.14,-286.78 ccw(c-926.3,-286.78) -942.45,-302.93 -938.94,-306.44 ccw(c-925,-292.51)
AGND on Top Layer "NONET_L01_P-001" (solid, remove dead copper, pour order 3): -1935,4705 ccw(c-1898.8,4668.79) -1950,4668.79 -1950,2295 -1279.73,2295 cw(c-1279.73,2195.02) -1209.02,2265.71 -1085,2141.69 cw(c-1155.69,2070.99) -1055.71,2070.98 -1055.71,1813.77 cw(c-1155.69,1813.77) -1085,1743.06 -1195.46,1632.6 ccw(c-1124.76,1561.89) -1224.75,1561.89 -1224.75,1417.87 ccw(c-1206.48,1417.87) -1219.4,1404.95 -1159.86,1345.41 cw(c-1219.98,1285.28) -1134.94,1285.27 -1209.02,850 ccw(c-984.97,776.36) -1195.46,670 -1079.42,590.71 ccw(c-1044.4,625.74) -1044.4,576.2 -881.16,576.2 ccw(c-881.16,641.77) -834.79,595.41 -349.66,1080.54 ccw(c-420.37,1151.24) -320.38,1151.25 -320.38,1533.76 cw(c-220.38,1533.76) -291.09,1604.47 -201.27,1694.29 cw(c-130.56,1623.59) -130.56,1723.58 -21.96,1723.58 ccw(c-21.96,1823.58) 48.75,1752.87 351.59,2055.71 cw(c414.51,2009.09) 402.99,2086.55 490.18,2121.09 cw(c614.39,1801.44) 752.63,2115.29 866.28,1935.31 ccw(c937,2006.02) 937,1906.02 1000,1906.02 ccw(c992.73,2035.31) 1089.29,1949.03 1135.59,2025.59 ccw(c1065.01,2096.42) 1165,2096.42 1165,2628.58 cw(c1265,2628.58) 1194.29,2699.29 1970.71,3475.71 ccw(c1900.01,3546.42) 2000,3546.42 2000,4700
GND on Top Layer "NONET_L01_P-001" (solid, remove dead copper, pour order 8): -1377.6,55.42 -885.18,55.42 ccw(c-885.18,120.86) -838.91,74.59 ccw(c-860.4,96.09) -830,96.09 -830,237.63 cw(c-730,237.63) -800.71,308.34 -667.66,441.39

## Other copper
Top Layer:
  pour cut-out: 1365,4060 1312.78,4060 cw(c1312.78,4160) 1242.07,4089.29 1226.68,4104.68 1226.68,4228.81 cw(c1289.24,4228.81) 1245,4273.05 1328.29,4273.05 cw(c1328.29,4173.05) 1399,4243.76 1412.71,4230.04
  region net Vadj: -365,-100 -490.39,-100 cw(c-490.39,-16.14) -549.69,-75.44 ccw(c-584.06,-105.73) -581.18,-60 -595,-60 ccw(c-589.76,-95.78) -618.82,-74.26 -620,-75.44 ccw(c-607.93,-87.51) -625,-87.51 -625,-98 ccw(c-612.77,-98) -621.42,-106.65 -602.36,-125.71 ccw(c-531.65,-55) -531.65,-155 -367.07,-155 ccw(c-367.07,-137.93) -355,-150
  region net NetL4_1: -450,135 -448.44,133.44 -448.44,102.23 -425.11,102.23 -410.37,116.97 -410.37,156.83 -450,150.33 -448.44,118.75 -441.1,135 -441.1,126.1
  region net NetL4_2: -515,150 -511.13,146.13 -490.25,146.13 -490.25,109.99 -493.62,106.63 -513.95,106.63 -522.32,115
  text "BYDCL2020" at -689.28,4281.03 h52 r132.85
  text "比亚迪辰龙" at -1650,1764.1 h138 r270
  text "2020" at -1765.62,1596.83 h162 r270
  text "电磁AI智能车" at 1781.8,1571.41 h99 r136.48
  text "中南大学" at 1860,620 h260 r90
  text "iMag v1.1" at 1995,468.68 h130 r90
  text "CSU" at -1331.68,-315.13 h112
Bottom Layer:
  rectangle net AGND: -990.72,1005 -645.16,1569.08
  rectangle net VCC: 1140,405 1245,515
  pour cut-out: -1367.42,4204.01 -1344.8,4292.4 -1260,4665
  pour cut-out: 796.17,1626.82 796.17,1499.21 ccw(c836.9,1499.21) 808.1,1470.41 814.45,1464.06 ccw(c885.16,1534.77) 885.16,1434.77 970.9,1434.77
  pour cut-out: 510,-225.43 510,13.55 ccw(c410.01,13.55) 480.71,84.26 451.99,112.99 ccw(c447.65,108.66) 447.65,114.78 279.06,108.19 cw(c336.19,175.25) 248.37,168.23 248.37,174.78 259.02,185.43 cw(c279.05,165.4) 279.06,193.72 557.77,193.72 cw(c557.77,-98.27) 764.26,108.19 cw(c693.57,37.49) 793.55,37.48 793.55,-175.43
  region net Vadj: -636.8,-98.17 -632.16,-102.8 ccw(c-601,-71.63) -601,-115.71 -591.94,-115.71 ccw(c-591.94,-79.14) -566.08,-105 ccw(c-578.4,-92.68) -560.97,-92.68 -560.97,-4.58 cw(c-472.9,13.14) -547.7,62.89 -513.43,62.89 cw(c-509.92,123.14) -555,83.02
  region net Vm: -420,65 -398.02,65 ccw(c-398.02,80.73) -386.9,69.61 cw(c-351.64,34.35) -351.64,84.21 -341.87,84.21 ccw(c-341.87,108.07) -325,91.2 -325,111.91 ccw(c-425,111.91) -354.29,182.62 -366.67,195 ccw(c-378.74,182.93) -378.74,200 -386.9,200 ccw(c-386.9,192.51) -392.19,197.81 -396.46,193.54 ccw(c-387.93,185) -400,185 -400,139.58 cw(c-470.24,139.58) -420.57,89.91
  region net Vadj: -579.84,178.52 cw(c-661.22,178.52) -603.68,120.98 -630.83,93.83 -630.83,-55 -600.15,-55 ccw(c-600.15,-20.86) -576,-45 ccw(c-592.49,-28.51) -569.18,-28.51 -569.18,47.52 -565.18,51.51 cw(c-527.3,13.64) -527.3,67.2
  region net NetL4_1: -447.38,130.27 -449.23,133.2 ccw(c-412.83,122.93) -445.83,104.45 ccw(c-440.99,103.71) -445.51,101.84 -445.51,86.89 ccw(c-474.49,139.25) -416.97,122.72 -416.97,133.2 ccw(c-433.09,133.21) -421.7,144.62 -425,147.92 ccw(c-428.64,156.73) -419.82,153.09 ccw(c-425.81,128.08) -445.51,144.62
  region net NetL4_2: -504.88,151.5 -513.43,151.5 ccw(c-498.63,130.97) -523.62,135 ccw(c-495.43,134.78) -515.51,115 -489.19,88.67 ccw(c-484.88,92.98) -484.88,86.89 -479.62,119.19 -481.32,115.07 ccw(c-496.32,130.08) -480.2,116.27 ccw(c-505.23,126.64) -494.46,151.5
  region net Vadj: -555,185 -552.68,182.68 cw(c-595.36,140) -535,140 -535,135.14 ccw(c-484.86,135.14) -520.31,99.68 cw(c-536.95,83.05) -513.43,83.05 -513.43,77.05 cw(c-520.55,77.05) -515.51,72.01 -520.31,67.2 -523.99,67.2 cw(c-523.99,134.41) -571.52,86.89 cw(c-551.41,106.99) -579.84,106.99 -579.84,178.52 cw(c-570.67,178.52) -577.16,185
  text "github.com/CSU-iMag" at -1765,1215 h100 r90

## Silkscreen, mask and mechanical layers (free items; w line width, h text height)
Top Overlay:
  text "CSU::iMag" at 940,4615 h60 r241.04
  text "D" at 1081.48,2064.84 h60
  text "C" at 1081.48,1981.68 h60
  text "G" at 1081.48,1904.29 h60
  text "JLCJLCJLCJLC" at -1470,625 h36
  text "GND" at 2075,515 h36 r90
  text "RX" at 1940,389.39 h62
  text "TX" at 1940,289.39 h62
  text "VCC" at 2055,103.38 h60
  text "关" at -567.69,-1.6 h99
  text "第十五届" at -1495.6,-98 h150
  text "G" at -227.63,-178.69 h60
  text "S" at -20,-180 h60
  text "V" at -122.91,-185.61 h60
  text "开" at -565,-330 h100
Top Solder:
  text "2020" at -1765.62,1596.83 h162 r270
  text "中南大学" at 1860,620 h260 r90
  text "CSU" at -1331.68,-315.13 h112
Mechanical 1:
  lines w19.68: -1309.45,2265.12 -1309.45,4069.62 ; -1309.45,2266.7 -1309.45,2157.53 cw(c-1430.16,2157.53) -1344.8,2072.18 -1405.66,2011.33 -1748.86,1674.17 -1786.95,1636.08 ccw(c-1780.42,1629.55) -1789.66,1629.55 cw(c-4156.35,2176.87) -2243.99,678.98 -2243.99,-415.61 ccw(c-2123.28,-415.61) -2208.63,-500.96 -2114.35,-595.25 ccw(c-2028.99,-509.9) -2028.99,-630.61 -2013.99,-630.61 -1618.99,-630.61 ; -1309.45,3833.29 cw(c-1307.88,3833.29) -1308.99,3834.39 ; -1309.2,4069.62 ccw(c-1519.22,4069.62) -1508.99,4279.39 -1693.99,4279.39 cw(c-1693.99,4419.39) -1693.99,4559.39 -1378.99,4559.39 ccw(c-1378.99,4680.11) -1293.63,4594.75 -1288.99,4599.39 cw(c-1228.63,4539.04) -1228.63,4624.39 -813.99,4624.39 cw(c-813.99,4503.68) -728.63,4589.04 -724.35,4584.75 cw(c-809.7,4499.39) -688.99,4499.39 -688.99,2580.35 ; -689.19,2580.55 ccw(c-375.14,2580.55) -375.14,2266.5 375.12,2266.5 ccw(c375.12,2580.55) 689.16,2580.55 ; 688.96,2580.35 688.96,4499.39 cw(c809.67,4499.39) 724.32,4584.75 728.61,4589.04 cw(c813.96,4503.68) 813.96,4624.39 1228.61,4624.39 cw(c1228.61,4539.04) 1288.96,4599.39 1293.61,4594.75 ccw(c1378.96,4680.11) 1378.96,4559.39 1693.96,4559.39 cw(c1693.96,4419.39) 1693.96,4279.39 1508.96,4279.39 ccw(c1519.19,4069.62) 1309.17,4069.62 ; 1308.96,3834.39 cw(c1307.85,3833.29) 1309.42,3833.29 ; 1309.42,2157.53 1309.42,2266.7 ; 1309.42,2265.12 1309.42,4069.62 ; 1309.45,2155.96 1309.45,2265.12 ; 1309.45,2157.53 ccw(c1430.16,2157.53) 1344.8,2072.18 1405.65,2011.33 1748.86,1674.17 1768.05,1654.98 cw(c1724.64,1611.58) 1786.03,1611.58 ccw(c4193.72,2135.93) 2243.67,629.53 2243.67,-135.61 2243.67,-137.94 cw(c2122.96,-137.94) 2208.32,-223.3 2139.03,-292.59 cw(c2053.67,-207.23) 2053.67,-327.94 -1216.33,-327.94 ccw(c-1216.33,-448.65) -1301.68,-363.3 -1533.63,-595.25 cw(c-1618.99,-509.89) -1618.99,-630.61 ; -1618.99,-630.61 ccw(c-1618.99,-630.61) -1618.99,-630.61
Mechanical 15:
  lines w19.68: -2125.98,0 2125.98,0 ; -1153.56,4507.87 0,4507.87 ; -354.33,688.98 354.33,688.98 ; -354.33,1870.08 354.33,1870.08 ; 0,0 0,1870.08 0,4507.87 ; 1153.53,4507.87 0,4507.87

## Dimensions
-2250,-375 to 2245,-115 on Mechanical 15
-2028.99,-630.61 to -1225,4625 on Mechanical 15

## Text inside footprints (layer, text, board x,y; h text height)
Beep1.2: Bottom Overlay "+" at 1264.07,464.5 h80
J1: Top Overlay "1" at 1260,-56.61 h60 r180; Top Overlay "2" at 1271,-160.61 h60 r180
J2: Top Overlay "2" at 1886,-160 h60 r180; Top Overlay "1" at 1875,-56 h60 r180
U1: Top Overlay "CoreBoard V1.2" at 701.01,389.39 h80; Top Overlay "IMX-RT1064 xVL" at 701.01,464.39 h80